# KiCad board MiniCamel.kicad_pcb (continued)
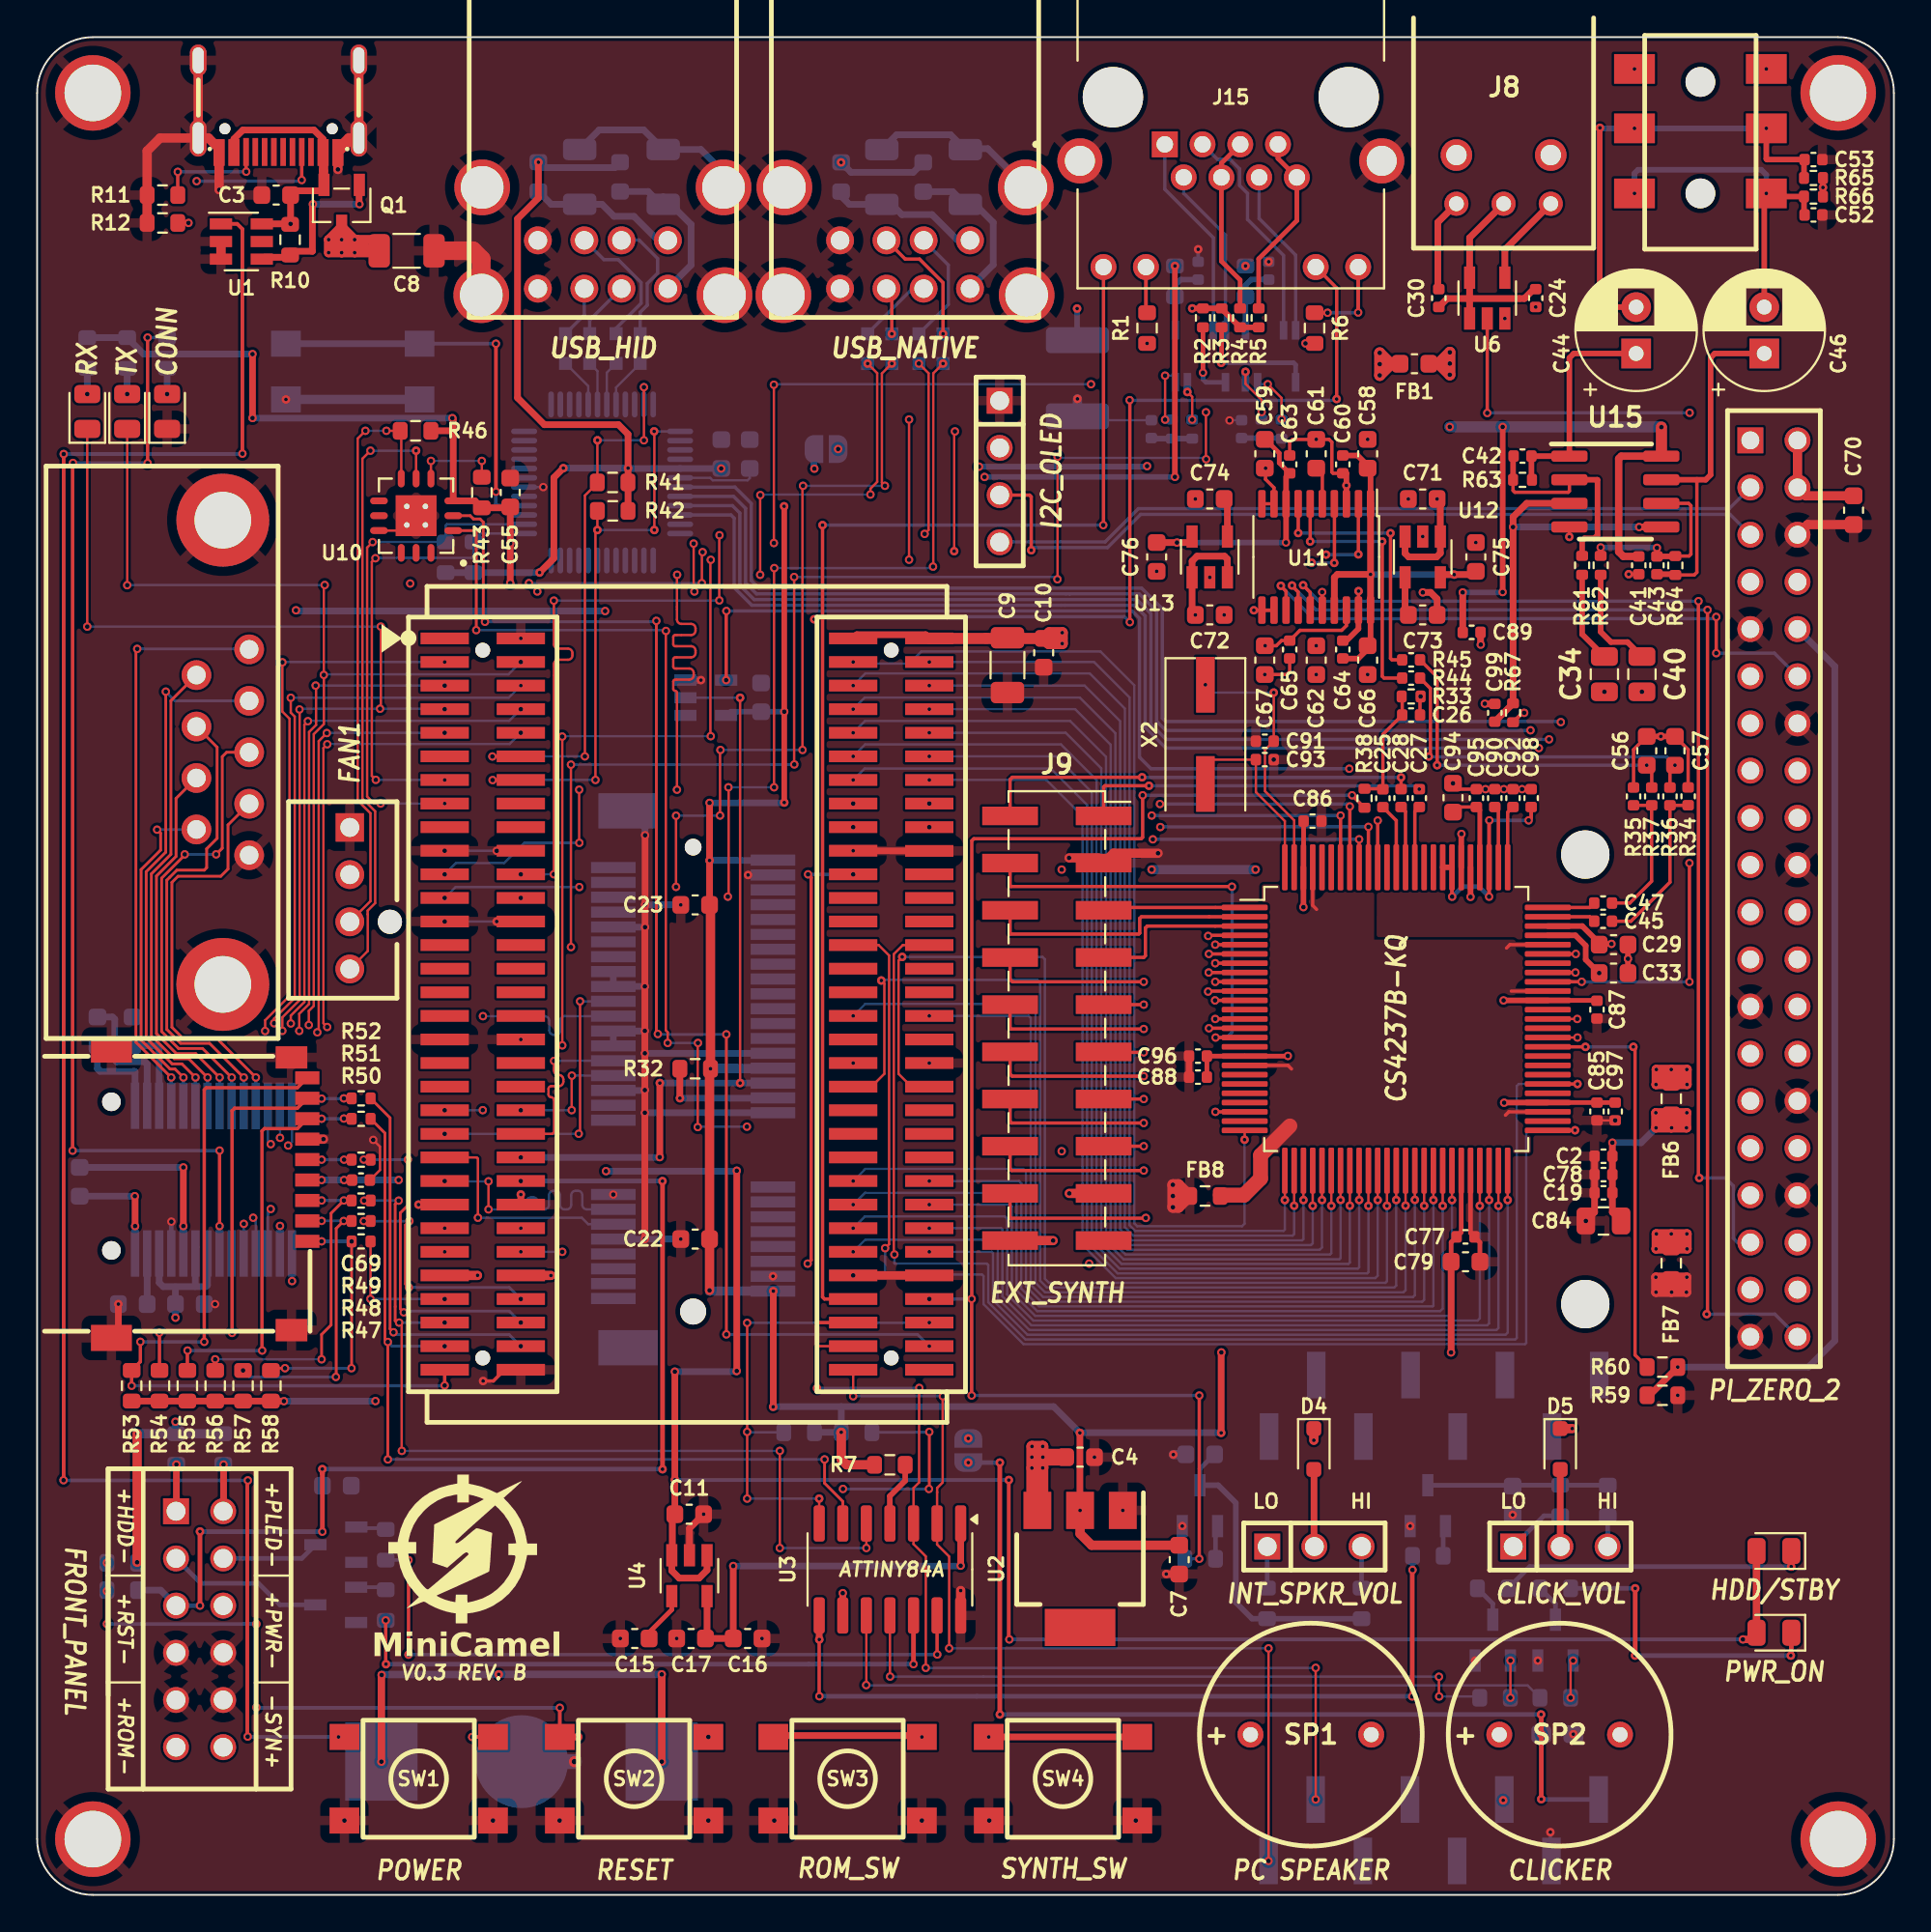
[diagram p0: board, top side]
## Nets (continued)
/LINE_OUT_CS_R: C33.2 C34.1 U14.72
/MIDI_AUDIO_L: C57.2 R36.1 R44.2
/MIDI_AUDIO_R: C56.2 R37.1 R45.2
/MIDI_IN: U14.59
/MIDI_OUT: R60.1 U14.60
/MSCLK: P1.A13 R39.1 U9.13
/MSDATA: P1.A15 R40.1 U9.14
/PE0_CLK+: J4.13 P1.A47
/PE0_CLK-: J4.11 P1.A45
/PE0_RX+: J4.33 P1.A43
/PE0_RX-: J4.31 P1.A41
/PE0_TX+: J4.25 P1.A44
/PE0_TX-: J4.23 P1.A42
/PI_SCL: J12.5 J14.3
/PI_SDA: J12.3 J14.4
/PWM1: P2.4 U10.5
/PWM_CLICK: R21.1 U3.8
/PWM_GREEN: R23.1 U3.10
/PWM_HDD: R17.1 U3.12
/PWM_PWR: R14.1 U3.13
/PWM_RED: R22.1 U3.11
/PWR_LED+: J3.12 R19.2
/PWR_LED-: J3.11 Q2.3
/PWR_SW: SW1.2 U1.1
/RI1: P1.A6 U5.18
/ROM_SW: J12.13 SW3.2
/RS_CTS1: J5.8 U5.8
/RS_DCD1: J5.1 U5.4
/RS_DSR1: J5.6 U5.7
/RS_DTR1: J5.4 U5.11
/RS_RI1: J5.9 U5.5
/RS_RTS1: J5.7 U5.10
/RS_RX1: J5.2 U5.6
/RS_TX1: J5.3 U5.9
/RST_SW: R8.2 R9.2 SW2.2
/RSTDRV: U8.4 U14.90
/RTS1: P1.A5 U5.13
/RX1: D3.1 P1.A7 U5.17
/RX2: J11.16 P1.B63 U3.2
/SD_CD: J13.9 P1.A63 R53.2
/SD_CLK: P1.A60 R50.2
/SD_CMD: P1.A59 R49.2 U3.5
/SD_DAT0: P1.A61 R51.2 U3.6
/SD_DAT1: P1.A62 R52.2
/SD_DAT2: P1.A57 R47.2
/SD_DAT3: P1.A58 R48.2
/SPDIF_OUT: U6.2 U14.67
/SPKR: P1.B58 R20.1 R38.1
/SYNTH_SW: J12.11 SW4.2
/TACH1: P2.3 R46.2 U10.6
/TX1: D2.1 P1.A4 U5.14
/TX2: J11.15 P1.B61 U3.3
/USBD1+: L1.3 P1.A23
/USBD1-: L1.2 P1.A21
/USBD2+: L2.3 P1.A24
/USBD2-: L2.2 P1.A22
/USBDX1+: J6.3 L1.4
/USBDX1-: J6.2 L1.1
/USBDX2+: J6.7 L2.4
/USBDX2-: J6.6 L2.1
/USBHID1+: L3.4 U9.29
/USBHID1-: L3.1 U9.30
/USBHID2+: L4.4 U9.31
/USBHID2-: L4.1 U9.32
/USBHIDX1+: J7.3 L3.3
/USBHIDX1-: J7.2 L3.2
/USBHIDX2+: J7.7 L4.3
/USBHIDX2-: J7.6 L4.2
/X_SD_CLK: J13.5 R50.1
/X_SD_CMD: J13.3 R49.1 R56.2
/X_SD_DAT0: J13.7 R51.1 R55.2
/X_SD_DAT1: J13.8 R52.1 R54.2
/X_SD_DAT2: J13.1 R47.1 R58.2
/X_SD_DAT3: J13.2 R48.1 R57.2
/~{BRESET}: J9.4 U14.15
/~{DACK1}: P1.B28 U14.56
/~{DUPLEX}: J15.9 P1.B57
/~{FM_CS}: J9.13 U14.9
/~{FM_RD}: J9.14 U14.10
/~{FM_WR}: J9.15 U14.11
/~{IOR}: P1.B40 U14.37
/~{IOW}: P1.B39 U14.38
/~{LINKACT}: J15.11 P1.B59
/~{PCIRST}: J4.22 P1.A46 U8.2
/~{PWR_SW}: J3.10
/~{ROM_SW}: J3.7
/~{RST_SW}: C5.1 J3.3 P1.A48 R9.1
/~{SYNTH_SW}: J3.6
Net-(C1-Pad2): C1.2 R2.1 R3.1 R4.1 R5.1
Net-(C25-Pad2): C25.2 C26.1 R33.1 R38.2
Net-(C34-Pad2): C34.2 R61.2
Net-(C40-Pad2): C40.2 R62.2
Net-(C42-Pad2): C42.2 C44.1 R63.1 U15.1
Net-(C43-Pad2): C43.2 C46.1 R64.1 U15.7
Net-(C44-Pad2): C44.2 C53.1 J2.R R65.1
Net-(C45-Pad2): C45.2 R34.2 R36.2
Net-(C46-Pad2): C46.2 C52.1 J2.T R66.1
Net-(C47-Pad2): C47.2 R35.2 R37.2
Net-(C80-Pad1): C80.1 R69.2 R71.2
Net-(C81-Pad1): C81.1 R70.2 R72.2
Net-(D1-A): D1.2 R15.2
Net-(D2-A): D2.2 R24.2
Net-(D3-A): D3.2 R25.2
Net-(D4-A): D4.2 JP1.2 SP1.2
Net-(D5-A): D5.2 JP2.2 SP2.2
Net-(D6-K): D6.1 R29.2
Net-(D7-K): D7.1 R28.2
Net-(J1-CC1): J1.A5 R12.1
Net-(J1-CC2): J1.B5 R11.1
Net-(J4-~{W_DISABLE}): J4.20 R32.1
Net-(J6-VBUS1): C31.1 F1.2 J6.1
Net-(J6-VBUS2): C35.1 F3.2 J6.5
Net-(J7-VBUS1): C32.1 F2.2 J7.1
Net-(J7-VBUS2): C36.1 F4.2 J7.5
Net-(J8-VIN): J8.1 U6.4
Net-(J11-5V): C68.1 J11.9 JP6.2
Net-(J15-Pad4): J15.4 J15.5 R4.2
Net-(J15-Pad7): J15.7 J15.8 R5.2
Net-(J15-Pad10): J15.10 R1.1
Net-(J15-Pad12): J15.12 R6.2
Net-(JP1-Pin_1): JP1.1 R30.2
Net-(JP1-Pin_3): JP1.3 R26.2
Net-(JP2-Pin_1): JP2.1 R31.2
Net-(JP2-Pin_3): JP2.3 R27.2
Net-(Q1-G): Q1.1 R10.1 U1.4
Net-(Q2-B): Q2.1 R14.2
Net-(Q3-B): Q3.1 R17.2
Net-(Q4-B): Q4.1 R20.2
Net-(Q4-C): C20.1 Q4.3 R26.1 R30.1
Net-(Q5-B): Q5.1 R21.2
Net-(Q5-C): C21.1 Q5.3 R27.1 R31.1
Net-(Q6-B): Q6.1 R22.2
Net-(Q6-C): Q6.3 R28.1
Net-(Q7-B): Q7.1 R23.2
Net-(Q7-C): Q7.3 R29.1
Net-(SW5-A): SW5.1 U9.16
Net-(T2-C_TD): C82.1 FB4.2 T2.6
Net-(T2-C_TX): R2.2 T2.3
Net-(T3-C_TD): C83.1 FB5.2 T3.6
Net-(T3-C_TX): R3.2 T3.3
Net-(U4-BYP): C15.1 U4.4
Net-(U5-C1+): C12.1 U5.28
Net-(U5-C1-): C12.2 U5.24
Net-(U5-C2+): C18.1 U5.1
Net-(U5-C2-): C18.2 U5.2
Net-(U5-V+): C13.1 U5.27
Net-(U5-V-): C6.1 U5.3
Net-(U5-~{INVALID}): R15.1 U5.21
Net-(U9-VDD33): C39.2 U9.42
Net-(U10-ADDR_SEL): R43.1 U10.4
Net-(U11-CAPM): C62.2 U11.4
Net-(U11-CAPP): C62.1 U11.2
Net-(U11-LDOO): C65.2 C67.2 U11.18
Net-(U11-OUTL): R44.1 U11.6
Net-(U11-OUTR): R45.1 U11.7
Net-(U11-VNEG): C61.2 U11.5
Net-(U12-BYP): C73.1 U12.4
Net-(U13-BYP): C74.1 U13.4
Net-(U14-LAUX1): C47.1 U14.75
Net-(U14-LFILT): C90.2 U14.77
Net-(U14-LLINE): C28.1 U14.87
Net-(U14-LMIC): C98.2 R67.2 U14.78 U14.82 U14.83
Net-(U14-MIN): C25.1 U14.88
Net-(U14-RAUX1): C45.1 U14.74
Net-(U14-REFFLT): C94.1 C95.1 U14.79
Net-(U14-RFILT): C92.2 U14.76
Net-(U14-RLINE): C27.1 U14.86
Net-(U14-XTALI): C93.2 U14.100 X2.2
Net-(U14-XTALO): C91.2 U14.99 X2.1
Net-(U15A--): C42.1 R61.1 R63.2 U15.2
Net-(U15B--): C43.1 R62.1 R64.2 U15.6

Pads without a net: J1 A6 A7 A8 B6 B7 B8; J4 1 3 5 6 7 8 10 12 14 16 17 19 28 30 32 36 38 39 41 42 44 45 46 47 48 49 51; J8 4 5; J9 19; J11 1 2 3 4 5 6 7 8 11 12 13 14; J12 1 7 8 15 16 17 18 19 21 22 23 24 26 27 28 29 31 32 33 36 37 38; P1 A1 A11 A16 A17 A18 A27 A28 A29 A30 A31 A32 A33 A34 A37 A38 A39 A40 B22 B26 B29 B30 B31 B32 B35 B36 B41 B42 B43 B44 B45 B46 B64; U1 5; U5 20; U8 1; U9 1 2 3 4 5 6 7 8 9 10 11 12 15 17 19 20 21 22 23 24 25 26 27 28 33 34 36 38 39 40 47 48; U10 7 8 10 11 12; U14 12 16 19 20 21 22 24 52 55 57 58 62 64 69 84 85 89 95 96

## Via types
v1: diameter 0.45, hole 0.25, Top to Bottom, 478 vias
v2: diameter 0.46, hole 0.2, Top to Bottom, 264 vias
v3: diameter 0.6, hole 0.3, Top to Bottom, 1 via

## Routing (per net, layer and track width the routed paths; a pad name or vN(x,y) marks a point on that pad's centre or on a via; arc(x,y) is an arc through that point)
+1.8V_LAN: length 90
  Top w0.127: v2(27.67,33.34) 27.66,33.34
  Top w0.3: v1(61.28,76.33) v2(61.28,87.69)
  Top w0.5: 27.66,33.34 P1.A56
  In1.Cu w0.3: v2(61.28,87.69) v2(65.08,87.69)
  In2.Cu w0.3: v2(27.67,33.34) 31.46,33.34 31.66,33.54 31.66,70.68 35.22,74.24 45.65,74.24 47.74,76.33 v1(51.03,76.33) ; v1(61.28,76.33) 61.28,76.33
  Bottom w0.3: 61.28,76.33 v1(51.03,76.33)
+3.3V: length 292.2
  Top w0.2: v1(68.31,83.52) R6.1
  Top w0.25: C79.1 76.16,35.12 76.7,35.67 76.7,39
  Top w0.3: v2(40.24,58.8) 40.24,58.8 v1(40.24,63.69) 40.24,74.74 v2(40.23,74.75)
  Top w0.36: v1(11.6,82.94) v1(11.6,79.5) ; v2(56.17,20.69) 56.16,20.71 v2(56.16,24.87) ; v1(63.78,29.2) 63.77,29.19 v2(63.77,24.87) ; 22.41,78.81 22.41,79.45 v1(22.36,79.49) ; 22.41,78.81 21.2,78.81 ; 22.41,78.81 U10.3 23.58,75.04 R43.2 25.43,74.66 C55.1 v1(25.48,72.75) v1(25.48,70.61) ; C69.1 16.53,38.47 v1(16.53,38.48) ; v1(76.15,29.2) 76.16,29.2 C79.1 ; v2(39.65,32.5) 39.65,26.28 v2(39.64,26.27) ; R53.1 R54.1 R55.1 R56.1 R57.1 R58.1 13.29,26.58 v1(13.29,26.58) ; J13.4 v1(15.32,38.48) ; v1(36.22,58.78) 36.22,53.29
  Top w0.5: v2(36.27,44.47) 36.22,44.42 v1(36.22,32.54) ; 36.25,44.5 36.27,44.52 36.27,53.24 36.22,53.29 ; 36.25,44.5 36.22,44.47 ; 36.25,44.5 36.28,44.47 ; R7.2 43.6,23.15 43.31,23.44 v2(43.31,24.9) 43.28,24.87 ; v2(56.17,20.69) 56.17,19.44 56.79,18.82 C7.1
  In1.Cu w0.2: v1(68.31,83.52) 68.29,83.53 59.8,83.53 v2(59.78,83.52)
  In1.Cu w0.36: v1(20.09,70.59) 20.11,70.61 v1(25.48,70.61) ; v1(63.78,29.2) v1(76.15,29.2) ; v2(40.23,74.75) 35.38,74.75 33.38,72.75 v1(25.48,72.75)
  In2.Cu w0.3: 59.78,76.88 v1(59.78,76.91) v2(59.78,83.52) ; v2(40.23,74.75) 40.31,74.67 45.48,74.67 47.69,76.88 v1(50.73,76.88)
  In2.Cu w0.36: 18.91,38.48 18.91,31.24 18.22,30.55 v1(18.22,26.58) ; 18.91,38.48 v1(19.47,38.48) ; 18.91,38.48 18.91,43.17 20.09,44.35 v1(20.09,70.59)
  Bottom w0.18: v2(36.22,55.68) 36.22,55.68
  Bottom w0.2: 59.8,83.49 v2(59.78,83.52)
  Bottom w0.3: v1(50.73,76.88) 59.78,76.88 ; 37.17,63.49 37.37,63.69 v1(40.24,63.69) 40.23,63.69
  Bottom w0.36: v1(11.6,82.94) 5.73,82.94 R24.1 R25.1 ; 43.31,26.28 v2(43.31,24.9) 41.86,24.9 ; 43.31,26.28 54.75,26.28 v2(56.16,24.87) 56.17,24.88 63.76,24.88 v2(63.77,24.87) ; 43.31,26.28 39.65,26.28 v2(39.64,26.27) ; v1(18.22,26.58) 18.22,26.58 v1(13.29,26.58) ; v1(22.36,79.49) 22.36,79.49 11.61,79.49 v1(11.6,79.5) ; 15.27,38.48 v1(16.53,38.48) v1(19.47,38.48) ; v2(39.65,32.5) J4.2 ; v2(40.24,58.8) 40.22,58.78 v1(36.22,58.78) ; 36.22,55.68 39.61,55.68
  Bottom w0.5: 39.61,44.48 36.28,44.48 v2(36.27,44.47) ; v1(36.22,32.54) 36.22,32.5 J4.2
+3.3V_PCM_A: length 13.3
  Top w0.25: 67.46,76.52 66.9,77.08 66.9,77.61 66.16,78.34
  Top w0.3: 67.27,76.33 U11.8 67.27,72.81 v1(67.26,72.8)
  Top w0.36: 61.88,72.8 v1(61.39,72.8) C76.1
  Bottom w0.3: v1(67.26,72.8) 67.25,72.8 v1(61.39,72.8)
+3.3V_PCM_D: length 23.1
  Top w0.3: 71.79,76.8 71.81,76.78 U11.1 ; 70.52,77.48 71.12,77.48 71.8,76.8 ; U11.20 71.81,67.22 71.15,66.55 70.52,66.55
  Top w0.36: 71.81,67.27 71.84,67.24 ; U11.1 v2(71.81,71.08) ; v2(71.81,71.08) U11.20 ; v2(71.81,71.08) 70.03,71.08 69.86,70.91 U11.17 ; 77.48,71.25 77.31,71.07 v2(76.32,71.07) 75.72,71.07 U12.5
  Bottom w0.36: v2(76.32,71.07) 71.83,71.07 v2(71.81,71.08)
+3.3VSB: length 22.1
  Top w0.36: 49.72,17.7 v1(49.74,17.72) U3.1 ; 36.08,13.89 U4.5 ; C17.2 C16.1 v1(37.49,17.7)
  Bottom w0.36: 49.72,17.7 v1(37.49,17.7)
+5VA: length 56.5
  Top w0.3: v1(78.93,70.13) v1(78.93,79.02) ; U14.81 76.7,57.1 v1(76.71,57.11)
  Top w0.36: 76.06,82.41 v1(76.08,82.43) ; C89.2 v1(76.78,70.11)
  Top w0.4: C41.2 85.43,72.05 85.18,72.3 85.18,77.31 85.31,77.44 U15.8
  Top w0.6: 75.5,82.41 v1(76.08,81.83) v1(76.08,83.03) 75.46,82.41 ; U15.8 87.48,77.45 v1(87.48,79.01)
  In2.Cu w0.3: v1(76.78,70.11) 76.78,70.11 76.78,57.18 v1(76.71,57.11)
  In2.Cu w0.6: v1(76.08,79.02) 76.08,79.02 v1(76.08,83.03)
  Bottom w0.3: v1(78.93,70.13) 78.91,70.11 v1(76.78,70.11)
  Bottom w0.6: v1(87.48,79.01) 87.47,79.02 v1(78.93,79.02) v1(76.08,79.02)
+5VFILT: length 39.4
  Top w0.127: v2(87.19,43.62) 87.19,43.62 87.2,43.62 ; 88.86,43.62 v2(88.86,43.62) ; 88.02,44.42 v2(88.01,44.43) 88.05,44.43 88,44.43
  Top w0.25: U14.54 C85.1 C97.2 ; U14.98 68.21,55.32 C86.1 ; C88.1 C96.2 U14.17 67.35,45.15 v1(67.36,45.16) ; U14.65 83.99,48.15
  Top w0.3: U14.65 v1(78.98,48.15) ; 83.99,48.15 C87.1 ; U14.98 v1(68.2,53.17) ; U14.54 79.02,42.65
  Top w0.36: 79.02,42.65 v1(79.01,42.64)
  Top w0.5: v2(88.86,43.62) 88.86,44.43 v2(88.85,44.43) 88.05,44.43 88.86,43.62 88.02,43.62 ; 88,44.43 v2(87.19,43.62) ; 88.02,43.62 88.02,44.42 ; 88.02,43.62 87.19,43.62 ; v2(88.01,44.43) v2(87.21,44.43) 87.2,44.43 87.2,43.62
  In2.Cu w0.5: v2(88.85,44.43) 78.67,44.43
/3.3V_MIDI_OUT: length 50.3
  Top w0.36: v2(88.36,28.41) 86.84,26.89
  Bottom w0.36: v2(88.36,28.41) 95.4,28.41 96.82,29.83 96.82,66.13 J12.10
/V86_SCL: length 92
  Top w0.15: v1(33.43,46.34) 33.35,46.42 v1(33.35,68.58) ; 48.05,21.87 v1(48.05,24.92) ; v1(24.12,68.53) 24.03,68.62 24.03,73.89 23.86,74.06 23.5,74.06 23.33,74.24 U10.2 ; v1(37.12,46.32) v1(37.12,30.17)
  Top w0.36: U3.9 v1(43.39,16.24) ; v1(48.03,21.85) 48.05,21.87
  In2.Cu w0.15: v1(48.05,24.92) v2(48.05,29.53) ; v1(43.39,16.24) 43.39,21.84
  In2.Cu w0.36: 43.39,21.84 v1(43.4,21.85)
  Bottom w0.15: v1(33.35,68.58) 33.3,68.53 v1(24.12,68.53) ; v1(33.43,46.34) 33.46,46.31 37.11,46.31 v1(37.12,46.32) ; v2(48.05,29.53) 47.42,30.17 v1(37.12,30.17) ; v1(43.4,21.85) v1(48.03,21.85) ; 48.05,24.9 R18.1
  Bottom w0.36: v1(48.05,24.92) 48.05,24.9
/V86_SDA: length 85.1
  Top w0.127: v1(35.58,41.33) 35.58,45.85 v1(35.59,45.86) ; v2(42.12,21.33) U3.7 ; v1(38.24,21.33) v1(38.24,24.92) v1(38.24,30.79) ; v1(33.87,68.04) 33.86,68.03 33.86,46.54 33.96,46.44 v1(33.96,45.86) ; v2(48.05,30.81) 47.89,30.97
  Top w0.15: U10.1 23.56,73.44 23.65,73.35 v1(23.65,68.08)
  In2.Cu w0.127: v1(38.23,41.35) 38.24,41.34 v1(38.24,30.79)
  Bottom w0.127: v1(38.24,30.79) 48.03,30.79 v2(48.05,30.81) ; v1(38.24,24.92) 38.26,24.9 R16.1 ; v1(33.96,45.86) v1(35.59,45.86) ; v1(33.87,68.04) 33.82,68.08 v1(23.65,68.08) ; v1(38.23,41.35) 35.6,41.35 v1(35.58,41.33) ; v1(38.24,21.33) v2(42.12,21.33)
/VBATT: length 48.8
  Top w0.127: 23.72,33.34 v2(23.72,33.35)
  Top w0.4: v1(33.64,11.87) v1(33.64,7.17) ; 18.54,11.82 v1(18.54,7.17)
  Top w0.5: P1.A55 23.72,33.34
  In2.Cu w0.4: v2(23.72,33.35) 24.75,33.35 24.85,33.25 24.85,11.88 v2(24.86,11.87)
  Bottom w0.4: v1(33.64,11.87) v2(24.86,11.87) 24.85,11.86 18.58,11.86 v1(18.55,11.84) 18.54,11.82
AGND: length 84.6
  Top w0.127: 88.02,35.57 v2(88.01,35.58) 88.05,35.58 88,35.58 ; 88.86,34.78 v2(88.86,34.77) ; 87.2,34.78 87.19,34.78 v2(87.19,34.77)
  Top w0.18: 65.96,74.88 U11.10 U11.9 66.61,75.75 66.16,76.2 v2(66.16,76.8) ; v2(65.53,69.15) 66.61,69.15 U11.12 U11.11 ; 88.92,59.61 88.92,61.65 C57.1 ; v2(66.12,65.69) 67.3,65.69 67.46,65.85 C65.1 ; R35.1 85.98,61.65 C56.1 ; v2(82.52,73.1) 82.53,73.1 U15.4 ; U11.16 69.22,70.12 v1(69.21,70.13) ; C60.2 69.8,76.52 69.73,76.59 69.73,78.2 69.58,78.35 v2(68.89,78.35) 67.61,78.35 67.46,78.2 C63.2 ; C41.1 v2(85.72,71.09) ; C98.1 v1(79.98,59.52) C92.1 v1(79,59.52) v1(78.01,59.52) C95.2 76.57,59.52 v1(76.26,59.83) ; v2(71.17,70.18) 71.17,69.16 U11.19 ; C26.2 74.48,64.48
  Top w0.3: 70.52,67.51 71.17,68.16 U11.19 ; R66.2 v2(96.18,91.91) R65.2 ; C33.1 v1(85.68,50.39) C29.1 ; 70.52,76.52 70.52,76.52 v2(70.52,75.87) U11.3 ; U14.80 v1(77.2,53.72) ; C57.1 v2(87.45,62.36) C56.1
  Top w0.36: v1(77.75,67.3) 77.74,67.31 C89.1 ; J8.3 75.44,90.03 75.44,86.49 ; C99.2 77.98,64.11 v1(77.97,64.12) ; v1(74.63,70.11) 75.05,70.11 75.4,69.76 C73.2
  Top w0.5: 88,35.58 v2(87.19,34.77) ; 88.02,34.78 87.19,34.78 ; 88.02,34.78 88.02,35.57 ; 88.02,34.78 88.86,34.78 88.05,35.58 v2(88.85,35.58) 88.86,35.58 v2(88.86,34.77) ; 87.2,34.78 87.2,35.58 v2(87.21,35.58) v2(88.01,35.58) ; J9.20 v1(54.72,35.22)
  In1.Cu w0.5: v1(55.18,40.03) 55.18,38.89 54.72,38.43 v1(54.72,35.22) ; v1(55.18,55.19) v1(60.03,55.19)
  In2.Cu w0.5: v1(55.18,40.03) v1(55.18,55.19)
  Bottom w0.5: v1(60.03,55.19) v1(65.62,55.19)
  vias: v1(74.51,64.51) v2(60.3,71.25) v2(62.38,75.14) v2(63.16,70.92) v2(63.93,68.9) v2(71.66,78.35) v2(71.66,65.69) v2(73.85,75.14) v2(74.62,73.12) v2(77.48,72.8) v2(79.05,84.85) v2(80.71,85.47) v2(86.03,98.29) v2(93.13,98.29)
GND: length 189.7
  Top w0.127: U10.9 19.61,73.44 U10.13 ; v1(84.99,41.69) C85.2 ; C69.2 18.46,39.02 18.46,40.28 v1(18.1,40.64) ; 9.8,91.79 v1(9.81,91.78) ; 88.83,33.25 88.84,33.25 v2(88.85,33.25) ; 87.19,33.25 v2(87.18,33.25) ; v2(24.75,52.39) P1.A26 ; v1(24.75,56.2) 24.76,56.2 P1.A20 ; 88.02,32.45 v2(88.03,32.44) 87.99,32.44 88.04,32.44 ; v2(20.54,37.16) P1.A49
  Top w0.18: v2(24.02,27.66) 24.57,27.66 25.17,28.27
  Top w0.25: 77.7,34.08 77.7,35.12 77.2,35.63 77.2,39
  Top w0.36: v1(32.73,35.3) v1(32.73,42.1) v1(32.73,43.32) v1(32.73,45.3) v1(32.73,46.51) v1(32.73,48.9) 32.73,52.08 v1(32.74,52.09) v1(32.74,53.29) v1(32.74,57.04) ; SW3.1 v1(39.7,4) ; P1.B20 v2(43.95,56.2) 43.96,56.19 ; v1(59.17,4) SW4.1 ; 4.3,29.98 4.38,30.06 v2(4.38,31.8) ; 35.15,18.44 35.15,18.3 U4.2 35.13,19.72 v2(35.9,20.49) ; C96.1 C88.2 ; v1(83.41,36.28) 83.88,36.75 C2.1 ; FB8.1 v1(61.17,37.62) ; v2(26.05,37.7) P1.A50 ; SW4.1 v1(51.28,4) ; v1(28.14,4) SW2.1
  Top w0.4: C7.2 v2(60.81,17.27)
  Top w0.45: P1.B56 v1(43.95,33.34)
  Top w0.5: 88.83,33.25 88.83,32.44 v2(88.83,32.44) v2(88.03,32.44) ; U3.14 v2(49.74,16.38) ; J1.S 16.77,94.57 16.2,94 ; C70.2 95.35,73.76 J12.6 ; v1(60.37,56.07) 57.97,56.07 J9.3 ; J1.S 9.23,94.57 9.8,94 ; J1.S 6.62,94.57 5.93,93.88 R12.2 ; J1.S J1.S ; J1.S 17.33,94.91 J1.A1/B12 v1(16.2,92.88) ; v2(87.18,33.25) 87.18,32.44 v2(87.19,32.44) 87.99,32.44 87.19,33.25 88.02,33.25 ; 57.16,55.82 v1(55.58,55.82) ; 88.04,32.44 v2(88.85,33.25) ; 88.02,33.25 88.84,33.25 ; 88.02,33.25 88.02,32.45 ; U1.3 U1.2 ; J13.6 v1(15.42,40.68) ; J1.A12/B1 9.8,91.79
  Top w0.6: 61.47,38.22 FB8.1 61.47,37.02 v1(61.17,37.02) v1(61.17,38.22) 61.47,38.22
  Top w1: 21.38,88.5 23.45,88.5 23.92,88.04 J7.S
  In1.Cu w0.36: v2(26.05,37.7) v1(31.03,37.7)
  Bottom w0.127: 7.23,36.23 v1(7.23,36.24) ; C81.2 64.23,79.38 v1(64.22,79.37) ; 32.71,43.3 v1(32.73,43.32) ; v1(21.95,56.2) 24.74,56.2 v1(24.75,56.2) ; C80.2 56.24,79.38 C1.1 ; v1(21.95,52.39) v2(24.75,52.39) ; U9.18 v1(27.26,75.78)
  Bottom w0.18: v2(38.29,54.9) J4.50 ; v2(81.5,3.38) 81.5,1.78
  Bottom w0.2: C82.2 v2(62.53,88.58)
  Bottom w0.25: U5.25 7.23,36.23
  Bottom w0.36: v1(32.73,42.1) J4.18 ; v1(32.73,48.9) J4.35 J4.37 ; v2(34.66,35.3) v1(32.73,35.3) J4.9 ; C14.2 v1(9.58,31.8) ; J4.43 31.04,52.09 v1(32.74,52.09) ; 33,29.88 32.79,30.09 ; v1(32.74,57.04) 32.74,57.44 J4.S2 ; J4.21 32.71,43.3 ; v1(32.73,46.51) 32.72,46.5 J4.29 J4.27 ; 36.97,92.73 35.74,93.95 C32.2 32.67,95 30.27,95 C36.2 ; 53.24,91.95 51.2,94 49.94,94 49.19,94.75 46.29,94.75 C35.2 ; v2(34.66,53.29) v1(32.74,53.29) ; J4.26 v1(32.73,45.3)
  Bottom w0.4: v2(35.75,65.39) U8.3
  Bottom w0.5: v2(61.19,23.7) 61.84,23.7 ; C1.1 v2(56.03,80.53) ; SW5.2 v2(13.4,80.5)
  Bottom w0.8: v3(28.94,7.17) BT1.2
  vias: v1(16.55,4) v1(24.55,4) v1(36.15,4) v1(47.65,4) v1(66.6,61.11) v2(26.05,67.63) v2(26.05,46.05) v2(31.41,13.8) v2(34.45,13.8) v2(39.04,13.8) v2(39.63,33.3) v2(43.95,44.78) v2(48.05,44.78) v2(56.94,23.56) v2(58.47,20.69) v2(61.67,19.85) v2(66.33,87.91) v2(73.95,19.85) v2(77.45,12.61) v2(79.47,20.45) v2(80.83,12.61) v2(82.74,8.65) v2(88.36,26.89)
